# KiCad board e-verest.kicad_pcb (continued)
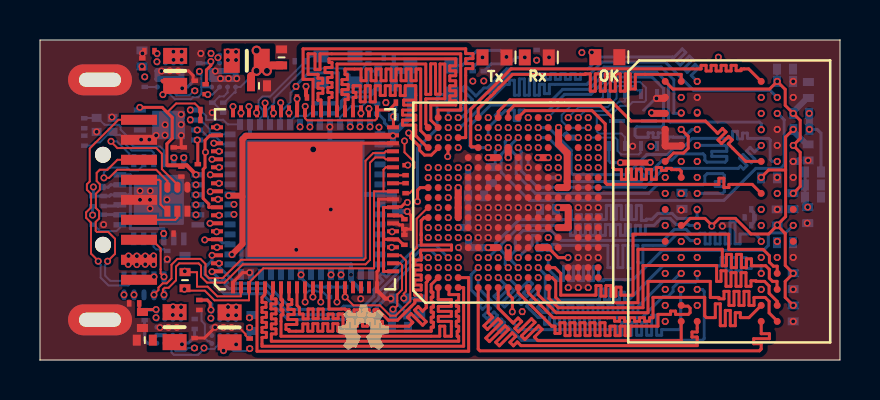
[diagram p0: board, top side]
## Routing (per net, layer and track width the routed paths; a pad name or vN(x,y) marks a point on that pad's centre or on a via; arc(x,y) is an arc through that point)
1.1V: length 23.2
  Top Layer w0.15: 25.92,6.62 25.93,6.63 ; 10.83,14.46 10.83,14.7 L1.2 11.1,14.98
  Top Layer w0.35: v1(23.41,10.12) U2.J15 ; U2.J4 v1(23.41,5.62) ; U2.P7 26.41,6.62 26.41,7.62 v1(25.91,7.62) ; v1(20.91,8.62) U2.D10 U2.D9 U2.D8 ; U2.P11 25.91,8.62 26.36,8.62 26.36,10.35 25.93,10.78 25.93,11.62 v1(25.93,11.62)
  Top Layer w0.4: C16.2 10.55,14.2 ; 11.56,14.73 C15.2
  InLayer3 (PWR) w0.15: 24.89,5.14 v1(24.91,5.12) ; 23.4,5.63 v1(23.41,5.62)
  InLayer3 (PWR) w0.35: 26.44,8.52 26.44,10.22 26.05,10.62 25.92,10.62 ; 25.92,10.62 v1(24.91,10.62) ; 25.92,10.62 25.92,12.11 ; 24.89,5.14 24.89,5.64 ; 24.89,5.64 24.89,6.62 26.39,6.62 26.39,7.62 v1(25.91,7.62) ; 24.89,5.64 23.4,5.64 23.4,5.63
  Bottom Layer w0.1: R33.2 9.21,12.87 9.72,13.38 9.78,13.38 U11.A4 10.02,13.65 v3(10.83,14.46)
  vias: v3(10.83,15.47) v3(11.35,14.46)
1.35V: length 64.2
  Top Layer w0.15: 6.1,13.97 6.14,13.93 6.14,13.9
  Top Layer w0.155: U2.N5 25.91,5.12 v1(26.4,5.12)
  Top Layer w0.35: U2.M14 v1(25.41,10.12) ; U2.M5 U2.N5
  InLayer2 (Signal) w0.15: v1(7.11,13.59) 7.16,13.59 ; v1(24.83,14.99) 24.83,14.99 ; 6.05,13.99 6.1,13.94
  InLayer2 (Signal) w0.2: v1(5.1,14.68) 5.28,14.68 5.97,13.99 6.05,13.99
  InLayer2 (Signal) w0.35: v1(33.92,15.14) 33.92,14.58 24.83,14.58 ; 24.83,14.58 14.23,14.58 13.99,14.34 12.37,14.34 11.81,13.78 10.18,13.78 10.02,13.62 8.68,13.62 8.39,13.91 7.28,13.91 ; 24.83,14.58 24.83,14.99
  InLayer3 (PWR) w0.155: 33.92,14.57 30.71,14.57 29.99,13.85 29.99,10.09 30.08,10 30.08,6.51 29.05,5.47 26.76,5.47 26.43,5.14 26.4,5.14
  InLayer3 (PWR) w0.2: v1(26.4,5.12) 26.4,5.14
  InLayer3 (PWR) w0.35: v1(38.46,12.33) 38.46,13.87 37.76,14.57 33.92,14.57 v1(33.92,15.14)
  InLayer4 (GND) w0.2: 24.83,12.2 25.41,11.63
  InLayer4 (GND) w0.3: 24.83,12.2 v1(24.83,14.99) ; v1(25.41,10.12) 25.41,11.63
  Bottom Layer w0.15: v1(38.47,11.53) 38.86,11.53 39.05,11.34 R1.1 ; v1(38.47,11.53) 38.46,11.53 ; v1(38.47,11.53) 38.47,11.46 38.59,11.33 ; v1(38.46,12.33) 38.46,12.33 ; U3.A4 7.38,13.65 7.69,13.96 R37.2
  Bottom Layer w0.35: 38.46,11.53 38.46,12.33
  vias: v1(6.14,13.27) v1(24.9,10.12)
2.5V: length 67.9
  Top Layer w0.15: 6.53,0.89 L3.2 6.93,0.89 ; U7.59 8.84,11.23 8.5,11.23 8.25,10.98 8.25,9.63 8.16,9.54 8.16,8.08 8.44,7.8 8.44,7.63 U7.68 ; 12.85,12.44 U7.49
  Top Layer w0.2: v1(12.86,13.06) 12.86,12.44 12.85,12.44 ; v1(14.85,2.9) U7.14
  Top Layer w0.35: v1(22.41,5.62) U2.H5 ; v1(22.41,10.12) U2.H14
  InLayer1 (GND) w0.15: v1(25.91,9.62) 25.42,9.13 23.4,9.13 v1(22.41,10.12)
  InLayer2 (Signal) w0.15: v1(22.41,5.62) 22.42,5.62
  InLayer2 (Signal) w0.2: 22.42,5.62 23.04,6.24 23.68,6.24 23.8,6.12 v1(25.41,6.12)
  InLayer3 (PWR) w0.3: 8.29,10.48 8.29,11.01 8.52,11.24 11.93,11.24 12.85,12.16 12.85,13.03 13.07,13.25 14.5,13.25 15.15,13.91 21.04,13.91 21.22,14.09 21.22,14.25 21.4,14.43 22.44,14.43 22.61,14.26 22.61,13.73 21.41,12.53 v1(21.41,9.62) ; 14.86,2.89 14.84,2.87 14.84,1.9 20.92,1.9 21.41,2.38 v1(21.41,6.12) 21.41,6.62 20.91,6.62 ; v1(7.1,0.78) 7.75,1.44 7.75,3.18 7.74,3.19 7.74,4.92 7.17,5.5 7.17,6.73 6.97,6.92 6.97,9.26 7.41,9.69 8,9.69 8.17,9.87 8.17,10.28 8.28,10.38 v1(8.28,10.39)
  InLayer3 (PWR) w0.35: v1(20.91,6.62) 20.91,6.62
  InLayer4 (GND) w0.3: v1(22.41,10.12) 21.91,9.62 v1(21.41,9.62)
  Bottom Layer w0.15: v1(20.91,6.62) 20.92,6.63 ; C21.2 7.73,1.14 7.69,1.1 7.67,1.1 7.42,0.85 7.05,0.85 U4.A4 ; v1(21.41,6.12) 21.43,6.1
  Bottom Layer w0.3: 21.41,6.63 C32.1 v1(21.41,9.62)
  Bottom Layer w0.35: 20.92,6.63 21.41,6.63 ; 21.43,6.1 C73.1 v1(22.41,5.62)
3.3V: length 97.6
  Top Layer w0.1: 8,12.49 8,12.57 7.74,12.83 6.8,12.83 6.36,12.38
  Top Layer w0.15: R5.2 R6.2 8.01,12.01 ; v1(4.99,12.63) 6.11,12.63 6.61,12.13 6.61,11.08 6.35,10.81 6.35,9.76 ; 10.07,8.22 10.12,8.16 ; 17.62,11.21 U7.37
  Top Layer w0.2: 7.8,9.27 7.34,9.73 6.37,9.73
  Top Layer w0.3: 17.62,11.21 10.3,11.21 10.12,11.03 10.12,5.8 v1(9.6,5.27) ; v1(9.43,8.22) 10.07,8.22 ; v1(29.02,9.87) 30.52,9.87
  InLayer2 (Signal) w0.2: v1(25.41,9.62) v1(25.91,10.12)
  InLayer3 (PWR) w0.15: v1(2.67,8.65) 2.67,9.78 2.52,9.93 2.52,10.55 4.6,12.63 v1(4.99,12.63)
  InLayer3 (PWR) w0.3: 9.6,3.97 v1(9.6,5.27) ; v1(7.8,9.26) 7.7,9.26 7.38,8.94 7.38,7.08 7.57,6.89 7.57,5.66 8.15,5.08 8.15,3.94 13.02,3.94 13.04,3.97 13.04,4.25 v1(13.05,4.26)
  InLayer3 (PWR) w0.5: v1(30.51,9.88) 30.51,6.3 28.8,4.59 26.29,4.59 25.29,3.6 23.38,3.6 21.18,1.4 11.24,1.4 11.24,1.46 11.12,1.58
  InLayer4 (GND) w0.15: v1(20.91,9.12) 20.94,9.15
  InLayer4 (GND) w0.2: v1(25.41,9.62) 25.41,9.59 24.97,9.15 20.94,9.15
  InLayer4 (GND) w0.3: 26.44,10.12 26.44,9.49 26.73,9.19 28.34,9.19 v1(29.02,9.87) ; 26.44,10.12 v1(25.91,10.12) ; 26.44,10.12 v1(26.91,10.12)
  Bottom Layer w0.15: 16.85,12.34 16.9,12.34 16.94,12.3 ; 18.3,14.46 18.31,14.45 ; 10.47,1.09 R45.2 ; 2.64,8.19 3.17,8.19 R47.1 3.48,8.2 3.54,8.26 U9.16 4.5,8.26 4.51,8.27 ; 2.64,8.19 2.67,8.23 v1(2.67,8.65) ; 2.64,8.19 2.63,8.19 C11.1 2.59,8.19 ; R56.1 16.9,12.31 17.22,12 17.22,11.87 17.47,11.62 17.47,11.46 17.53,11.4 17.65,11.4 ; R54.1 R53.1 13.94,3.65 13.89,3.7 13.46,3.7 13.05,4.11 v1(13.05,4.26) ; 17.69,14.48 FB2.2 17.7,14.45 ; 17.67,11.4 17.73,11.4 17.8,11.46 ; 28.45,10.8 28.44,10.8 28.44,9.96 28.53,9.87 v1(29.02,9.87) ; 4.51,8.27 4.51,6.57 6.19,6.57 U9.9 ; 4.51,8.27 4.51,9.26 3.99,9.26 U9.18 ; 18.51,13.27 Y1.4 ; 17.7,13.71 FB1.2 17.69,13.63 ; 17.65,11.32 FB3.1 ; 17.7,14.3 17.7,14.45
  Bottom Layer w0.2: 17.69,14.48 C57.1 ; 10.47,1.09 10.47,1.44
  Bottom Layer w0.3: FB2.2 18.3,14.46 ; 17.82,11.46 18.51,12.14 18.51,13.26 Y1.4 ; 18.51,13.27 18.51,14.52 ; 17.7,13.71 17.7,14.45 ; 17.65,11.32 17.65,10.91 17.52,10.78 U8.16
  vias: v1(6.19,6.32) v1(9.18,0.47) v1(9.81,0.78) v1(10.48,1.62) v1(17.65,11.21)
GND: length 52.2
  Top Layer w0.1: v1(9.58,1.63) 9.95,1.63 10.27,1.3 10.27,1.23 10.43,1.07
  Top Layer w0.15: 31.25,13.13 U1.B1 ; R57.1 7.19,10.63 7.06,10.63 ; v1(10.48,4.37) 10.13,4.37 9.65,3.89 U7.1 ; U7.77 16.05,10.83 U7.36 ; 18.24,6.54 18.56,6.54 18.56,7.22 18.56,7.22 18.36,7.42 v1(18.36,7.43) 18.36,7.43 ; C74.1 R55.2 18.17,6.54 18.13,6.58 18.13,6.75 17.96,6.75 17.9,6.81 17.67,6.81 U7.26 ; 7.06,10.63 C13.2 7.06,10.63 ; 7.06,10.63 v1(7.06,11.23) ; 16.87,3.46 16.85,3.48 U7.19 16.85,4.42 16.92,4.49 16.92,8.04 17.64,8.04 U7.29 ; C2.1 13.35,13.18 13.3,13.22 ; R42.1 8.22,1.1 v1(8.76,1.64) ; v1(6.9,14.46) 6.91,14.45 7.43,14.45 7.65,14.23 7.65,14 7.69,13.96 R38.1 ; 10.43,1.07 R46.1
  Top Layer w0.2: v1(17.54,3.07) 17.27,3.07 16.87,3.46 ; 13.3,13.22 C7.1
  Top Layer w0.35: 31.28,10.7 31.26,10.72 31.26,11.53 U1.D1 ; 31.28,10.7 31.28,10.7 ; 31.28,10.7 32.03,10.7 U1.E2 ; 31.25,13.13 31.2,13.08 v1(30.82,13.08)
  InLayer2 (Signal) w0.15: 17.69,12.87 17.7,12.88
  InLayer2 (Signal) w0.35: v1(17.29,12.87) 17.69,12.87 ; 31.26,1.75 v1(31.26,1.93) ; 26.41,9.48 26.41,9.21 26.32,9.12 v1(25.91,9.12)
  Bottom Layer w0.15: R52.1 13.74,12.83 C9.1 14.22,12.83 C10.1 ; v1(14.49,11.65) 14.49,11.77 U8.10 14.57,11.85 ; 7.26,1.63 7.04,1.63 U4.C4 ; 30.18,11.97 30.21,11.95 U10.9 ; U10.4 30.85,13.15 30.18,12.49 ; U8.57 13.4,8.18 ; 13.4,8.18 15.28,8.18 ; 13.4,8.18 14.5,9.28 ; 25.9,9.12 v1(25.91,9.12) ; v1(24.41,9.62) U2.L14 ; 13.34,13.68 13.3,13.64 13.3,13.63 ; Y1.2 20.57,14.77 20.61,14.73 21.11,14.73 21.86,15.48 23,15.48 v1(23.32,15.15) ; X3.4 18.36,2.33 17.65,3.03 17.65,3.08 ; 37.94,9.97 37.96,9.99 ; 26.29,11.27 26.35,11.27 ; U8.45 9.42,5.85 9.12,5.85 8.91,6.06 8.68,6.06 ; R50.2 2.62,7.27 2.62,7.69 C11.2 ; 23.4,9.59 23.45,9.59 ; 23.38,9.59 v1(23.41,9.62)
  Bottom Layer w0.2: 17.63,3.07 17.64,3.08 ; 17.63,3.07 v1(17.54,3.07) ; 17.63,3.07 17.64,3.07 17.65,3.08 17.65,3.08 17.65,3.08 ; C30.2 25.9,9.12 ; U4.B1 U4.B2
  Bottom Layer w0.25: 15.28,8.18 15.38,8.28 U8.21 17.73,8.28 17.73,7.43 18.36,7.43 ; v1(14.49,11.65) 14.49,9.29 14.5,9.28
  Bottom Layer w0.3: C31.2 26.43,11.12 v1(26.91,11.12) ; U3.C1 U3.C2 U3.C3 U3.C4 U3.B4 U3.B3 U3.B2 U3.B1 U3.C1 ; U11.B1 U11.B2 U11.B3 U11.B4 U11.C4 U11.C3 U11.C2 U11.C1 U11.B1
  Bottom Layer w0.35: 37.94,9.97 37.9,9.93 37.66,9.93 37.66,9.93 v1(37.66,9.93)
  vias: v1(2.63,7.25) v1(2.83,11.41) v1(3.18,6.77) v1(3.6,12.14) v1(5,8.45) v1(5,8.01) v1(5.12,15.33) v1(5.06,11.02) v1(5.46,11.02) v1(5.51,8.45) v1(5.5,8.01) v1(5.5,7.57) v1(5.81,11.23) v1(6,1.62) v1(6.07,14.45) v1(6.25,11.76) v1(6.25,11.24) v1(6.35,8.01) v1(6.36,5.04) v1(6.42,1.63) v1(6.49,14.46) v1(6.84,1.63) v1(7.05,12.28) v1(7.05,11.77) v1(8.04,15.33) v1(8.61,12.37) v1(8.76,14.45) v1(9.02,14.07) v1(9.17,1.63) v1(9.43,14.07) v1(9.84,14.07) v1(10.47,2.11) v1(12.81,5.51) v1(13.3,13.68) v1(14.54,7.53) v1(16.04,3.06) v1(19.91,11.12) v1(19.91,4.62) v1(20.93,5.62) v1(21.91,7.62) v1(21.91,7.12) v1(21.91,6.62) v1(21.91,6.12) v1(22.41,7.62) v1(22.41,7.12) v1(22.41,6.62) v1(22.41,6.12) v1(22.41,4.12) v1(22.91,7.62) v1(22.91,7.12) v1(23.41,7.62) v1(23.41,7.12) v1(23.91,7.62) v1(24.11,2.42) v1(24.41,11.62) v1(24.41,7.62) v1(24.91,7.62) v1(25.45,15.13) v1(26.41,3.62) v1(26.91,7.62) v1(26.91,5.12) v1(26.91,3.62) v1(27.41,10.12) v1(27.41,7.62) v1(27.41,5.12) v1(27.41,3.62) v1(27.91,10.62) v1(27.91,7.62) v1(27.91,5.12) v1(29.63,10.69) v1(31.26,9.13) v1(31.26,5.13) v1(31.26,3.53) v1(32.06,7.5) v1(32.06,5.93) v1(32.86,13.13) v1(34.12,6.69) v1(36.86,11.53) v1(36.86,10.73) v1(36.86,9.13) v1(36.86,7.53) v1(37.66,13.93) v1(37.66,13.13) v1(37.66,9.13) v1(37.66,5.13) v1(37.66,3.53) v1(37.66,1.93) v1(38.41,9.98) v1(38.36,6.84) v4(13.66,10.53)
VDD: length 30.5
  Top Layer w0.15: 37.28,9.5 36.43,9.5 v1(36.06,9.13) ; 37.28,9.5 37.28,11.15 v1(37.66,11.53) ; 37.28,9.5 37.28,7.17 v1(36.86,6.75) U1.K8 ; v1(33.59,6.69) 33.59,6.74 33.25,7.08 32.51,7.08 32.16,6.73 U1.K2 ; 33.61,6.72 33.97,7.08 34.77,7.08 35.55,6.3 36.43,6.3 U1.K8 ; U1.K8 37.26,6.33 37.26,4.73 v1(37.66,4.33) 37.26,3.93 37.26,3.13 v1(37.66,2.73)
  InLayer3 (PWR) w0.15: v1(33.59,6.69) 33.59,6.65 33.25,6.31 31.76,6.31 31.61,6.16 31.61,4.68 v1(31.26,4.33) 31.26,4.02 30.91,3.67 30.91,3.39 31.26,3.04 v1(31.26,2.73) ; v1(32.06,13.13) 32.44,12.75 36.1,12.75 36.41,12.44 36.41,12.32 36.85,11.88 37.31,11.88 v1(37.66,11.53)
  Bottom Layer w0.15: 38.21,10.91 38.33,10.78 C26.2 ; 37.67,11.44 FB5.2
  Bottom Layer w0.3: 37.67,11.44 38.21,10.91
VDDQ: length 28.1
  Top Layer w0.15: v1(32.06,11.53) 32.41,11.18 32.41,10.59 32.17,10.35 31.68,10.35 U1.F1 ; v1(37.66,8.33) 38.01,8.68 38.01,10.38 v1(37.66,10.73) 38.01,11.08 38.01,11.98 v1(37.66,12.33) 37.26,12.73 37.26,13.53 v1(36.86,13.93) 36.48,13.55 31.64,13.55 U1.A1 31.24,13.91
  Top Layer w0.35: U1.C1 30.61,12.33 v1(30.58,12.36)
  InLayer3 (PWR) w0.15: 32.4,8.67 37.32,8.67 v1(37.66,8.33) ; 32.4,8.67 32.4,11.19 v1(32.06,11.53) 31.35,11.53 30.58,12.3 v1(30.58,12.36) ; 32.4,8.67 v1(32.06,8.33)
  Bottom Layer w0.15: v1(37.66,12.33) 37.66,12.41 ; 38.22,12.96 38.22,12.97 38.34,13.1 C60.1 ; v1(36.86,13.93) 36.85,13.94 36.85,14.46 ; 36.85,14.51 36.85,14.5
  Bottom Layer w0.3: 37.66,12.41 38.22,12.96
CAS#: length 20.2
  Bottom Layer w0.15: v1(32.86,6.69) 32.82,6.73 32.47,6.73 32.41,6.78 31.8,6.78 31.5,7.08 31.05,7.08 30.7,6.73 30.27,6.73 30.27,6.3 30.02,6.3 30.02,6.73 29.77,6.73 29.77,6.23 29.52,6.23 29.52,6.77 29.27,6.77 29.27,6.23 29.02,6.23 29.02,6.77 28.77,6.77 28.77,6.23 28.52,6.23 28.52,6.77 28.27,6.77 28.27,6.23 28.02,6.23 28.02,6.77 27.77,6.77 27.77,6.23 27.52,6.23 27.52,6.77 27.27,6.77 27.27,6.23 27.02,6.23 27.02,6.77 26.77,6.77 26.77,6.23 26.52,6.23 26.52,6.77 26.27,6.77 26.27,6.72 25.56,6.72 24.02,6.72 23.06,5.76 23.06,5.48 23.26,5.28 23.26,4.77 v1(23.41,4.62)
CK_N: length 19.5
  InLayer2 (Signal) w0.1: v1(21.91,11.12) 21.91,11.14 21.79,11.26 21.71,11.26 21.61,11.16 21.61,10.95 21.71,10.85 21.89,10.85 22.08,10.66 22.08,9.77 23.68,8.17 29.77,8.17 30.6,7.34 31.56,7.34 31.78,7.12 32.22,7.12 32.34,7.24 33.36,7.24 33.36,7.24 34.96,7.24 35.78,8.07 36.3,8.07 36.54,7.83 36.54,7.21 36.34,7.02 36.17,7.02 36.11,6.96 36.11,6.78 v1(36.06,6.73)
CK_P: length 19.5
  InLayer2 (Signal) w0.1: v1(36.06,7.53) 36.11,7.48 36.11,7.3 36.17,7.24 36.25,7.24 36.31,7.3 ; v1(21.91,11.62) 21.91,11.6 21.79,11.48 21.62,11.48 21.38,11.25 21.38,10.86 21.62,10.62 21.8,10.62 21.86,10.57 21.86,9.67 23.59,7.95 29.68,7.95 30.51,7.11 31.47,7.11 31.69,6.89 32.31,6.89 32.43,7.01 33.45,7.01 33.46,7.02 35.05,7.02 35.87,7.84 36.21,7.84 36.31,7.74 36.31,7.3
CKE: length 20.3
  Bottom Layer w0.15: v1(25.41,5.12) 25.41,4.54 25.92,4.02 25.92,3.98 26.17,3.98 26.17,4.68 26.42,4.68 26.42,3.97 26.67,3.97 26.67,4.68 26.92,4.68 26.92,3.97 27.17,3.97 27.17,4.68 27.42,4.68 27.42,3.97 27.67,3.97 27.67,4.68 27.92,4.68 27.92,3.96 28.17,3.96 28.17,4.02 29.66,4.02 31.12,5.48 36.17,5.48 36.42,5.73 36.42,6.26 36.5,6.35 37.28,6.35 v1(37.66,6.73)
D1_N: length 7.2
  InLayer3 (PWR) w0.1: v1(13,11.66) 12.94,11.66 12.82,11.53 12.65,11.53 12.03,10.91 9.79,10.91 9.42,10.54 9.42,9.2 9.25,9.04 9.17,9.04 9.07,9.13 8.83,9.13 8.65,8.96 8.15,8.96 7.94,8.76 U9.2
  vias: v1(7.8,8.76)
D1_P: length 8
  InLayer3 (PWR) w0.1: U9.3 7.89,8.29 7.94,8.34 7.94,8.34 8.34,8.74 8.62,8.74 8.83,8.54 9.07,8.54 9.25,8.71 9.25,8.72 9.64,9.11 9.64,10.45 9.88,10.69 12.12,10.69 12.74,11.31 13.15,11.31 v1(13.5,11.65)
  vias: v1(7.8,8.26)
D2_N: length 10.8
  InLayer3 (PWR) w0.1: U9.4 7.94,7.76 8.07,7.62 8.26,7.62 8.49,7.4 8.69,7.4 8.83,7.53 9.07,7.53 9.26,7.34 9.26,7.07 10.18,6.15 17.41,6.15 17.55,6.29 17.55,6.43
  vias: v1(7.8,7.76) v1(17.61,6.41)
D2_P: length 10.5
  InLayer3 (PWR) w0.1: 17.55,5.64 17.55,5.78 17.41,5.92 10.09,5.92 9.11,6.9 8.86,6.9 8.59,7.17 8.39,7.17 8.17,7.4 8.07,7.4 7.94,7.26 U9.5
  vias: v1(7.8,7.26) v1(17.59,5.63)
DML: length 13.8
  InLayer2 (Signal) w0.15: v1(32.06,9.93) 32.06,10.26 32.15,10.35 33.17,10.35 33.26,10.43 33.26,11.03 33.17,11.11 32.02,11.11 31.57,11.56 29.25,11.56 27.9,12.91 24.07,12.91 23.59,12.43 23.59,12.33 23.41,12.14 v1(23.41,11.62)
  Bottom Layer w0.15: v1(32.06,9.93) 32.06,9.96
DMU: length 20.1
  Bottom Layer w0.15: v1(22.41,11.12) 22.41,11.61 22.89,12.1 22.76,12.23 22.94,12.4 23.07,12.27 23.27,12.47 23.46,12.47 23.46,12.5 23.71,12.5 23.71,11.97 23.96,11.97 23.96,12.5 24.21,12.5 24.21,12.47 25.42,12.47 26.23,13.28 27.54,13.28 28.41,14.15 30.6,14.15 31.17,13.57 31.17,11.75 31.09,11.66 29.84,11.66 29.75,11.57 29.75,11.23 29.84,11.14 30.41,11.14 30.41,11.36 30.66,11.36 30.66,11.12 30.91,11.12 30.91,11.36 31.16,11.36 31.16,11.05 31.41,11.05 31.41,11.15 31.66,11.15 31.66,11.14 32.2,11.14 32.6,11.53 32.86,11.53 v1(32.86,11.53)
DQSL_N: length 13.7
  InLayer2 (Signal) w0.1: v1(24.41,12.12) 24.35,12.12 24.23,12 24.14,12 24.04,12.1 24.04,12.24 24.26,12.46 25.82,12.46 25.82,12.23 26.02,12.23 26.02,12.46 27.59,12.46 29.03,11.02 31.45,11.02 31.51,10.96 31.51,10.63 31.45,10.57 30.97,10.57 30.83,10.44 30.83,10.05 30.97,9.92 31.45,9.92 31.51,9.86 31.51,9.4 31.7,9.21 32.46,9.21 32.66,9.4 32.76,9.4 32.82,9.34 32.82,9.17 v1(32.86,9.13)
DQSL_P: length 13.6
  InLayer2 (Signal) w0.1: v1(23.91,11.62) 23.88,11.65 23.88,11.95 23.82,12 23.82,12.34 24.17,12.69 27.69,12.69 29.12,11.25 30.09,11.25 30.09,11.25 30.29,11.25 30.29,11.25 31.54,11.25 31.73,11.06 31.73,10.53 31.54,10.34 31.06,10.34 31.06,10.14 31.54,10.14 31.73,9.95 31.73,9.49 31.79,9.43 32.37,9.43 32.56,9.63 32.74,9.63 32.82,9.71 32.82,9.89 v1(32.86,9.93)
DQSU_N: length 16.5
  InLayer2 (Signal) w0.1: v1(22.91,11.62) 22.91,11.96 23.37,12.42 23.37,12.52 23.98,13.14 28.23,13.14 29.53,11.83 36.28,11.83 36.54,12.09 36.54,12.56 36.46,12.64 36.46,12.64 36.32,12.78 36.32,12.96 36.24,13.05 36.21,13.05 36.13,13.13 v1(36.06,13.13)
DQSU_P: length 16.4
  InLayer2 (Signal) w0.1: v1(22.41,12.12) 22.75,12.12 23.14,12.51 23.14,12.62 23.89,13.36 28.32,13.36 29.62,12.06 36.19,12.06 36.31,12.18 36.31,12.47 36.12,12.65 35.91,12.65 35.79,12.53 ; 35.79,12.53 35.79,12.39 35.85,12.33 36.06,12.33 v1(36.06,12.33)
DRAM_A0: length 20.2
  Bottom Layer w0.15: v1(22.91,4.12) 23.27,3.76 22.7,3.18 22.88,3.01 23.52,3.65 23.7,3.48 23.05,2.83 23.23,2.65 23.88,3.3 24.05,3.12 23.88,2.95 24.05,2.77 24.23,2.95 24.41,2.77 24.33,2.69 24.51,2.52 24.51,2.52 24.9,2.13 25.22,2.13 25.22,1.79 25.47,1.79 25.47,2.13 25.72,2.13 25.72,1.79 25.97,1.79 25.97,2.13 26.22,2.13 26.22,1.79 26.47,1.79 26.47,2.13 26.72,2.13 26.72,1.79 26.97,1.79 26.97,2.13 27.22,2.13 27.22,1.79 27.47,1.79 27.47,2.13 27.72,2.13 27.72,1.79 27.97,1.79 27.97,2.13 28.22,2.13 28.22,2.12 28.47,2.12 28.47,2.13 30.12,2.13 31.17,3.18 31.4,3.18 31.65,3.43 31.65,3.62 31.92,3.88 32.77,3.88 32.86,3.97 v1(32.86,4.33)
DRAM_A1: length 16.7
  InLayer2 (Signal) w0.15: v1(23.91,4.12) 23.91,3.5 24.72,2.69 30.17,2.69 30.66,3.18 33.85,3.18 33.85,3.06 34.1,3.06 34.1,3.5 34.35,3.5 34.35,3 34.6,3 34.6,3.5 34.85,3.5 34.85,3 35.1,3 35.1,3.5 35.35,3.5 35.35,3 35.6,3 35.6,3.18 35.71,3.18 v1(36.06,3.53)
DRAM_A2: length 20.2
  Bottom Layer w0.15: v1(21.91,4.62) 21.56,4.27 21.56,3.5 22.15,2.91 21.95,2.71 22.13,2.53 22.35,2.76 22.52,2.58 22.18,2.23 22.36,2.06 22.7,2.4 22.88,2.22 22.53,1.88 22.71,1.7 23.05,2.05 23.23,1.87 22.89,1.53 23.06,1.35 23.39,1.67 24.08,0.98 33.12,0.98 33.21,1.07 33.21,3.44 33.12,3.53 32.86,3.53 v1(32.86,3.53)
DRAM_A3: length 20.2
  Bottom Layer w0.15: v1(32.06,4.33) 32.01,4.33 31.61,3.93 31.16,3.93 29.9,2.67 29.9,2.38 29.65,2.38 29.65,2.76 29.4,2.76 29.4,2.38 29.15,2.38 29.15,2.76 28.9,2.76 28.9,2.38 28.65,2.38 28.65,2.76 28.4,2.76 28.4,2.38 28.15,2.38 28.15,2.76 27.9,2.76 27.9,2.38 27.65,2.38 27.65,2.76 27.4,2.76 27.4,2.38 27.15,2.38 27.15,2.76 26.9,2.76 26.9,2.38 26.65,2.38 26.65,2.76 26.4,2.76 26.4,2.38 26.15,2.38 26.15,2.76 25.9,2.76 25.9,2.38 25.65,2.38 25.65,2.76 25.4,2.76 25.4,2.38 25.15,2.38 24.88,2.65 25.06,2.83 24.88,3 24.7,2.83 24.53,3 24.98,3.45 24.8,3.63 24.35,3.18 24.17,3.36 24.63,3.81 24.45,3.98 24,3.53 v1(23.41,4.12)
DRAM_A4: length 20.3
  Top Layer w0.15: U1.P8 36.85,3.54 36.85,3.93 36.62,3.93 36.47,4.09 36.47,4.53 36.28,4.71 35.57,4.71 35.57,5.06 35.32,5.06 35.32,4.62 35.07,4.62 35.07,5.28 34.82,5.28 34.82,4.62 34.57,4.62 34.57,5.28 34.32,5.28 34.32,4.71 34.11,4.71 34.11,5.54 29.9,5.54 29.9,2.86 26.05,2.86 25.79,3.13 25.79,3.94 25.61,4.12 U2.N2
DRAM_A5: length 20.2
  Bottom Layer w0.15: 32.08,3.5 32.04,3.46 32.04,1.61 31.95,1.52 31.08,1.52 31.08,1.23 30.83,1.23 30.83,2.24 30.58,2.24 30.58,1.23 30.33,1.23 30.33,1.88 30.08,1.88 30.08,1.23 29.83,1.23 29.83,1.88 29.58,1.88 29.58,1.23 29.33,1.23 29.33,1.88 29.08,1.88 29.08,1.23 28.83,1.23 28.83,1.69 28.58,1.69 28.58,1.52 23.99,1.52 21.91,3.6 v1(21.91,4.12)
  vias: v1(32.06,3.53)
DRAM_A6: length 20.3
  Top Layer w0.15: U1.R8 36.86,2.93 36.46,3.33 36.46,3.7 36.23,3.93 35.8,3.93 35.8,3.96 35.55,3.96 35.55,3.68 35.3,3.68 35.3,4.37 35.05,4.37 35.05,3.68 34.8,3.68 34.8,4.37 34.55,4.37 34.55,3.68 34.3,3.68 34.3,4.46 34.05,4.46 34.05,3.93 33.83,3.93 33.83,4.73 30.15,4.73 30.15,2.61 25.92,2.61 25.45,3.08 25.45,3.58 U2.N1
DRAM_A7: length 20.3
  Top Layer w0.15: U1.R2 32.1,2.69 32.4,2.69 32.5,2.59 32.5,2.37 32.42,2.28 31.78,2.28 31.78,2.45 31.53,2.45 31.53,2.28 30.9,2.28 30.9,1.69 29.5,1.69 29.5,1.22 29.25,1.22 29.25,1.69 29,1.69 29,1.22 28.75,1.22 28.75,1.69 28.5,1.69 28.5,1.22 28.25,1.22 28.25,1.86 28,1.86 28,1.22 27.75,1.22 27.75,1.86 27.5,1.86 27.5,1.22 27.25,1.22 27.25,1.86 27,1.86 27,1.22 26.75,1.22 26.75,1.86 26.5,1.86 26.5,1.22 26.25,1.22 26.25,1.86 26,1.86 26,1.33 25.75,1.33 25.75,1.69 25.58,1.69 25.58,1.7 23.91,3.37 U2.K1
DRAM_A8: length 20.3
  Top Layer w0.15: U2.M1 24.91,3.27 25.81,2.36 30.4,2.36 30.4,3.93 33.51,3.93 33.51,3.13 33.95,3.13 33.95,3.06 34.2,3.06 34.2,3.43 34.45,3.43 34.45,2.73 34.7,2.73 34.7,3.43 34.95,3.43 34.95,2.73 35.2,2.73 35.2,3.43 35.45,3.43 35.45,2.73 35.7,2.73 35.7,3.13 36.26,3.13 36.46,2.93 36.46,2.35 36.86,1.95 U1.T8
DRAM_A9: length 16.7
  Top Layer w0.15: 32.84,2.73 v1(32.86,2.73)
  InLayer2 (Signal) w0.15: v1(32.86,2.73) 32.86,2.38 24.74,2.38 24.42,2.06 23.39,2.06 23.07,2.38 22.98,2.29 22.8,2.47 23.2,2.87 23.02,3.04 22.62,2.64 22.45,2.82 22.84,3.22 22.67,3.4 22.27,3 22.09,3.17 22.27,3.35 22.09,3.53 22.01,3.44 21.56,3.89 21.56,4.77 v1(21.91,5.12)
DRAM_A10: length 20.3
  Top Layer w0.1: v1(36.06,5.93) 36.07,5.93
  Bottom Layer w0.15: v1(36.06,5.93) 36.06,5.98 35.96,6.08 35.96,6.1 35.76,6.3 35,6.3 35,5.81 34.75,5.81 34.75,6.9 34.5,6.9 34.5,5.8 34.25,5.8 34.25,6.34 34,6.34 34,5.8 33.75,5.8 33.75,6.34 33.5,6.34 33.5,5.8 33.25,5.8 33.25,6.34 33,6.34 33,6.3 32.54,6.3 32.31,6.53 31.72,6.53 31.17,5.98 26.04,5.98 25.55,6.47 24.15,6.47 23.76,6.08 23.76,5.47 23.56,5.26 23.56,4.98 23.91,4.63 v1(23.91,4.62)
DRAM_A11: length 20.2
  Top Layer w0.15: U1.R7 35.45,2.12 35.02,2.12 35.02,2.37 34.77,2.37 34.77,1.72 34.52,1.72 34.52,2.48 34.27,2.48 34.27,1.72 34.02,1.72 34.02,2.81 33.77,2.81 33.77,2.12 33.32,2.12 33.24,2.21 33.24,3.13 30.65,3.13 30.65,2.11 30.48,2.11 30.48,1.94 30.23,1.94 30.23,2.11 29.98,2.11 29.98,1.94 29.73,1.94 29.73,2.11 29.48,2.11 29.48,1.94 29.23,1.94 29.23,2.11 28.98,2.11 28.98,1.94 28.73,1.94 28.73,2.11 25.66,2.11 24.41,3.37 U2.L1
DRAM_A12: length 20.2
  Bottom Layer w0.15: v1(24.91,4.62) 25.18,4.35 25.18,4.34 25.26,4.26 25.26,3.1 25.35,3.01 27.97,3.01 27.97,3.55 28.22,3.55 28.22,3.01 28.47,3.01 28.47,3.55 28.72,3.55 28.72,3.01 28.97,3.01 28.97,3.39 29.22,3.39 29.22,3.01 29.44,3.01 31.15,4.71 34.06,4.71 34.06,5.12 34.31,5.12 34.31,4.46 34.56,4.46 34.56,5.12 34.81,5.12 34.81,4.46 35.06,4.46 35.06,5.12 35.31,5.12 35.31,4.58 35.56,4.58 35.56,4.71 36.06,4.71 v1(36.06,4.33)
DRAM_A13: length 20.2
  Top Layer w0.15: U2.G1 22.41,2.36 22.63,2.14 22.19,1.71 22.37,1.53 22.91,2.06 23.08,1.89 22.29,1.1 22.47,0.92 23.26,1.71 23.44,1.53 22.79,0.89 22.96,0.71 23.61,1.36 23.79,1.18 23.5,0.89 23.67,0.71 23.87,0.9 24.05,0.72 32.86,0.72 32.86,1.15 32.6,1.15 32.6,1.4 32.86,1.4 U1.T3
DRAM_A14: length 20.2
  Top Layer w0.15: U1.T7 36.06,1.31 36.47,1.31 36.47,1.06 35.68,1.06 35.68,0.81 36.06,0.81 36.06,0.55 35.97,0.46 22,0.46 21.91,0.55 U2.F1
DRAM_A15: length 16.7
  InLayer2 (Signal) w0.15: v1(22.41,4.62) 22.9,4.62 23.76,5.48 33.86,5.48 33.86,5.77 34.11,5.77 34.11,5.26 34.36,5.26 34.36,5.77 34.61,5.77 34.61,5.26 34.86,5.26 34.86,5.73 35.11,5.73 35.11,5.48 35.71,5.48 v1(36.06,5.13)
DRAM_BA0: length 16.7
  InLayer2 (Signal) w0.15: v1(24.91,4.12) 24.91,3.27 27.78,3.27 27.78,4.01 28.03,4.01 28.03,3.23 28.28,3.23 28.28,4.13 28.53,4.13 28.53,3.23 28.78,3.23 28.78,4.13 29.03,4.13 29.03,3.23 29.28,3.23 29.28,3.34 29.66,3.72 29.38,4.01 29.56,4.18 29.85,3.89 30.02,4.07 29.73,4.36 29.91,4.54 30.2,4.25 30.38,4.42 30.09,4.71 30.26,4.89 30.55,4.61 30.64,4.7 32.06,4.7 v1(32.06,5.13)
DRAM_BA1: length 20.2
  Top Layer w0.15: U2.N3 25.75,4.62 26.04,4.33 26.04,3.24 27.8,3.24 27.8,3.72 28.05,3.72 28.05,3.2 28.3,3.2 28.3,3.72 28.55,3.72 28.55,3.2 28.8,3.2 28.8,3.64 29.05,3.64 29.05,3.24 29.65,3.24 29.65,6.29 34.44,6.29 34.44,5.53 36.15,5.53 36.47,5.22 36.47,4.89 36.67,4.69 36.86,4.69 U1.N8
DRAM_BA2: length 16.7
  InLayer2 (Signal) w0.15: 24.4,4.61 v1(24.41,4.62) 24.41,3.37 24.8,2.98 29.68,2.98 29.79,3.09 29.59,3.3 29.76,3.47 30.18,3.05 30.36,3.23 29.95,3.64 30.13,3.82 30.54,3.4 30.72,3.58 30.5,3.8 30.65,3.95 33.63,3.95 33.63,4.18 33.21,4.18 33.21,4.43 33.87,4.43 33.87,4.68 33.63,4.68 33.63,5.13 32.94,5.13 32.9,5.09
  vias: v1(32.86,5.13)
DRAM_DL0: length 16.7
  Top Layer w0.15: U1.F7 35.29,9.93 34.41,10.81 34.61,11 34.43,11.18 34.08,10.82 33.9,11 34.3,11.4 34.12,11.58 33.88,11.34 33.27,11.95 29.55,11.95 28.49,13.01 23.5,13.01 22.91,12.42 U2.H18
DRAM_DL1: length 16.7
  Top Layer w0.15: U2.J18 23.41,12.43 23.7,12.72 28.02,12.72 28.65,12.1 28.65,9.61 28.73,9.52 29.07,9.52 29.07,9.03 29.32,9.03 29.32,9.55 29.57,9.55 29.57,9.03 29.82,9.03 29.82,9.55 30.07,9.55 30.07,9.03 30.32,9.03 30.32,9.53 30.57,9.53 30.57,9.03 30.82,9.03 30.82,9.63 31.07,9.63 31.07,9.48 31.32,9.48 31.32,9.58 31.57,9.58 31.57,9.52 31.82,9.52 31.82,9.52 31.97,9.52 32.06,9.43 U1.G2
DRAM_DL2: length 16.7
  Bottom Layer w0.15: v1(36.06,10.73) 35.73,10.4 35.51,10.63 35.33,10.45 35.74,10.04 35.56,9.86 35.15,10.28 34.98,10.1 35.35,9.72 35.17,9.55 35.03,9.7 34.91,9.58 31.19,9.58 30.25,8.64 24.88,8.64 24.06,9.45 24.06,10.42 23.91,10.57 v1(23.91,10.62)
DRAM_DL3: length 16.7
  Bottom Layer w0.15: v1(36.86,9.93) 36.86,9.93 36.6,9.93 36.51,10.02 36.51,10.99 36.42,11.08 35.37,11.08 35.37,11.34 35.12,11.34 35.12,11.06 34.87,11.06 34.87,11.43 34.62,11.43 34.62,11.08 32.61,11.08 32.1,10.57 31.66,10.57 31.37,10.27 30.34,10.27 29.34,9.27 26.65,9.27 26.56,9.36 26.56,10.26 26.56,10.27 26.56,10.49 25.43,11.62 v1(24.91,11.62)
DRAM_DL4: length 16.7
  Bottom Layer w0.15: v1(23.91,11.12) 23.56,10.77 23.56,10.48 23.81,10.23 23.81,9.29 24.77,8.33 30.43,8.33 30.86,8.76 33.15,8.76 33.24,8.85 33.24,9.2 33.36,9.32 34.13,9.32 34.22,9.23 34.22,8.92 33.76,8.92 33.76,8.67 34.22,8.67 34.22,8.42 34.13,8.33 v1(32.86,8.33)
DRAM_DL5: length 13.7
  InLayer2 (Signal) w0.15: v1(24.41,10.62) 24.41,10.11 25.75,8.77 36.46,8.77 36.86,8.37 v1(36.86,8.33)
DRAM_DL6: length 16.7
  Bottom Layer w0.15: v1(32.86,10.73) 34.25,10.73 34.34,10.64 34.34,10.43 33.59,10.43 33.59,10.18 34.34,10.18 34.34,9.98 34.25,9.89 33.35,9.89 33.24,10 33.24,10.22 33.15,10.31 31.91,10.31 31.59,9.99 31.12,9.99 30.46,9.33 30.11,9.68 29.93,9.51 30.28,9.15 30.05,8.92 26.36,8.92 26.27,9.01 26.27,10.25 26.26,10.25 26.26,10.26 25.4,11.12 v1(24.91,11.12)
DRAM_DL7: length 16.7
  Top Layer w0.15: U2.K18 24.26,12.47 27.6,12.47 28.26,11.81 28.26,11.48 28.26,8.87 28.35,8.78 33.95,8.78 33.95,9.09 34.19,9.09 34.19,8.62 34.44,8.62 34.44,8.78 35.61,8.78 U1.H7
DRAM_DU0: length 20.1
  Bottom Layer w0.15: v1(36.06,11.51) 36.06,11.81 35.97,11.9 31.51,11.9 31.42,11.98 31.42,13.81 30.83,14.4 28.31,14.4 27.44,13.53 26.13,13.53 25.35,12.75 22.53,12.75 21.49,11.71 21.49,10.71 21.58,10.62 v1(22.41,10.62)
DRAM_DU1: length 16.6
  InLayer2 (Signal) w0.15: v1(32.86,12.38) 32.86,12.44 32.78,12.52 32.78,12.57 32.57,12.78 31.91,12.78 31.11,13.58 23.35,13.58 23.17,13.41 22.99,13.59 22.82,13.41 23.22,13.01 23.04,12.83 22.61,13.27 22.43,13.09 22.92,12.61 22.74,12.43 22.25,12.92 22.08,12.74 22.29,12.53 22.06,12.29 22.06,11.97 v1(22.91,11.12)
DRAM_DU2: length 20.1
  Bottom Layer w0.15: v1(36.86,12.33) 36.89,12.33 37.21,12.01 37.21,9.76 37.03,9.58 35.79,9.58 34.19,7.98 24.47,7.98 23.06,9.39 23.06,10.28 23.26,10.48 23.26,10.92 23.41,11.07 v1(23.41,11.12)
DRAM_DU3: length 20
  Bottom Layer w0.15: U1.C2 31.69,12.33 31.69,14.01 31.05,14.65 28.2,14.65 27.33,13.78 25.47,13.78 25.47,13.32 25.22,13.32 25.22,13.79 24.97,13.79 24.97,13.24 24.72,13.24 24.72,14.05 24.47,14.05 24.47,13.24 24.22,13.24 24.22,14.05 23.97,14.05 23.97,13.24 23.72,13.24 23.72,13.99 23.47,13.99 23.47,13.78 23.27,13.78 22.51,13.02 22.42,13.02 21.1,11.7 21.04,11.7 20.96,11.62 v1(20.91,11.62)
  vias: v1(32.06,12.36)
DRAM_DU4: length 20.1
  Top Layer w0.15: U2.F15 21.87,10.66 21.59,10.66 21.54,10.71 21.54,11.96 21.53,11.96 21.53,12.54 23.55,14.55 33.05,14.55 33.05,14.73 33.3,14.73 33.3,14.45 33.55,14.45 33.55,14.73 33.8,14.73 33.8,14.45 34.05,14.45 34.05,14.73 34.3,14.73 34.3,14.45 34.55,14.45 34.55,14.73 34.8,14.73 34.8,14.47 35.05,14.47 35.05,14.55 35.43,14.55 36.06,13.93 U1.A7
